# KiCad board oresat-live-card.kicad_pcb
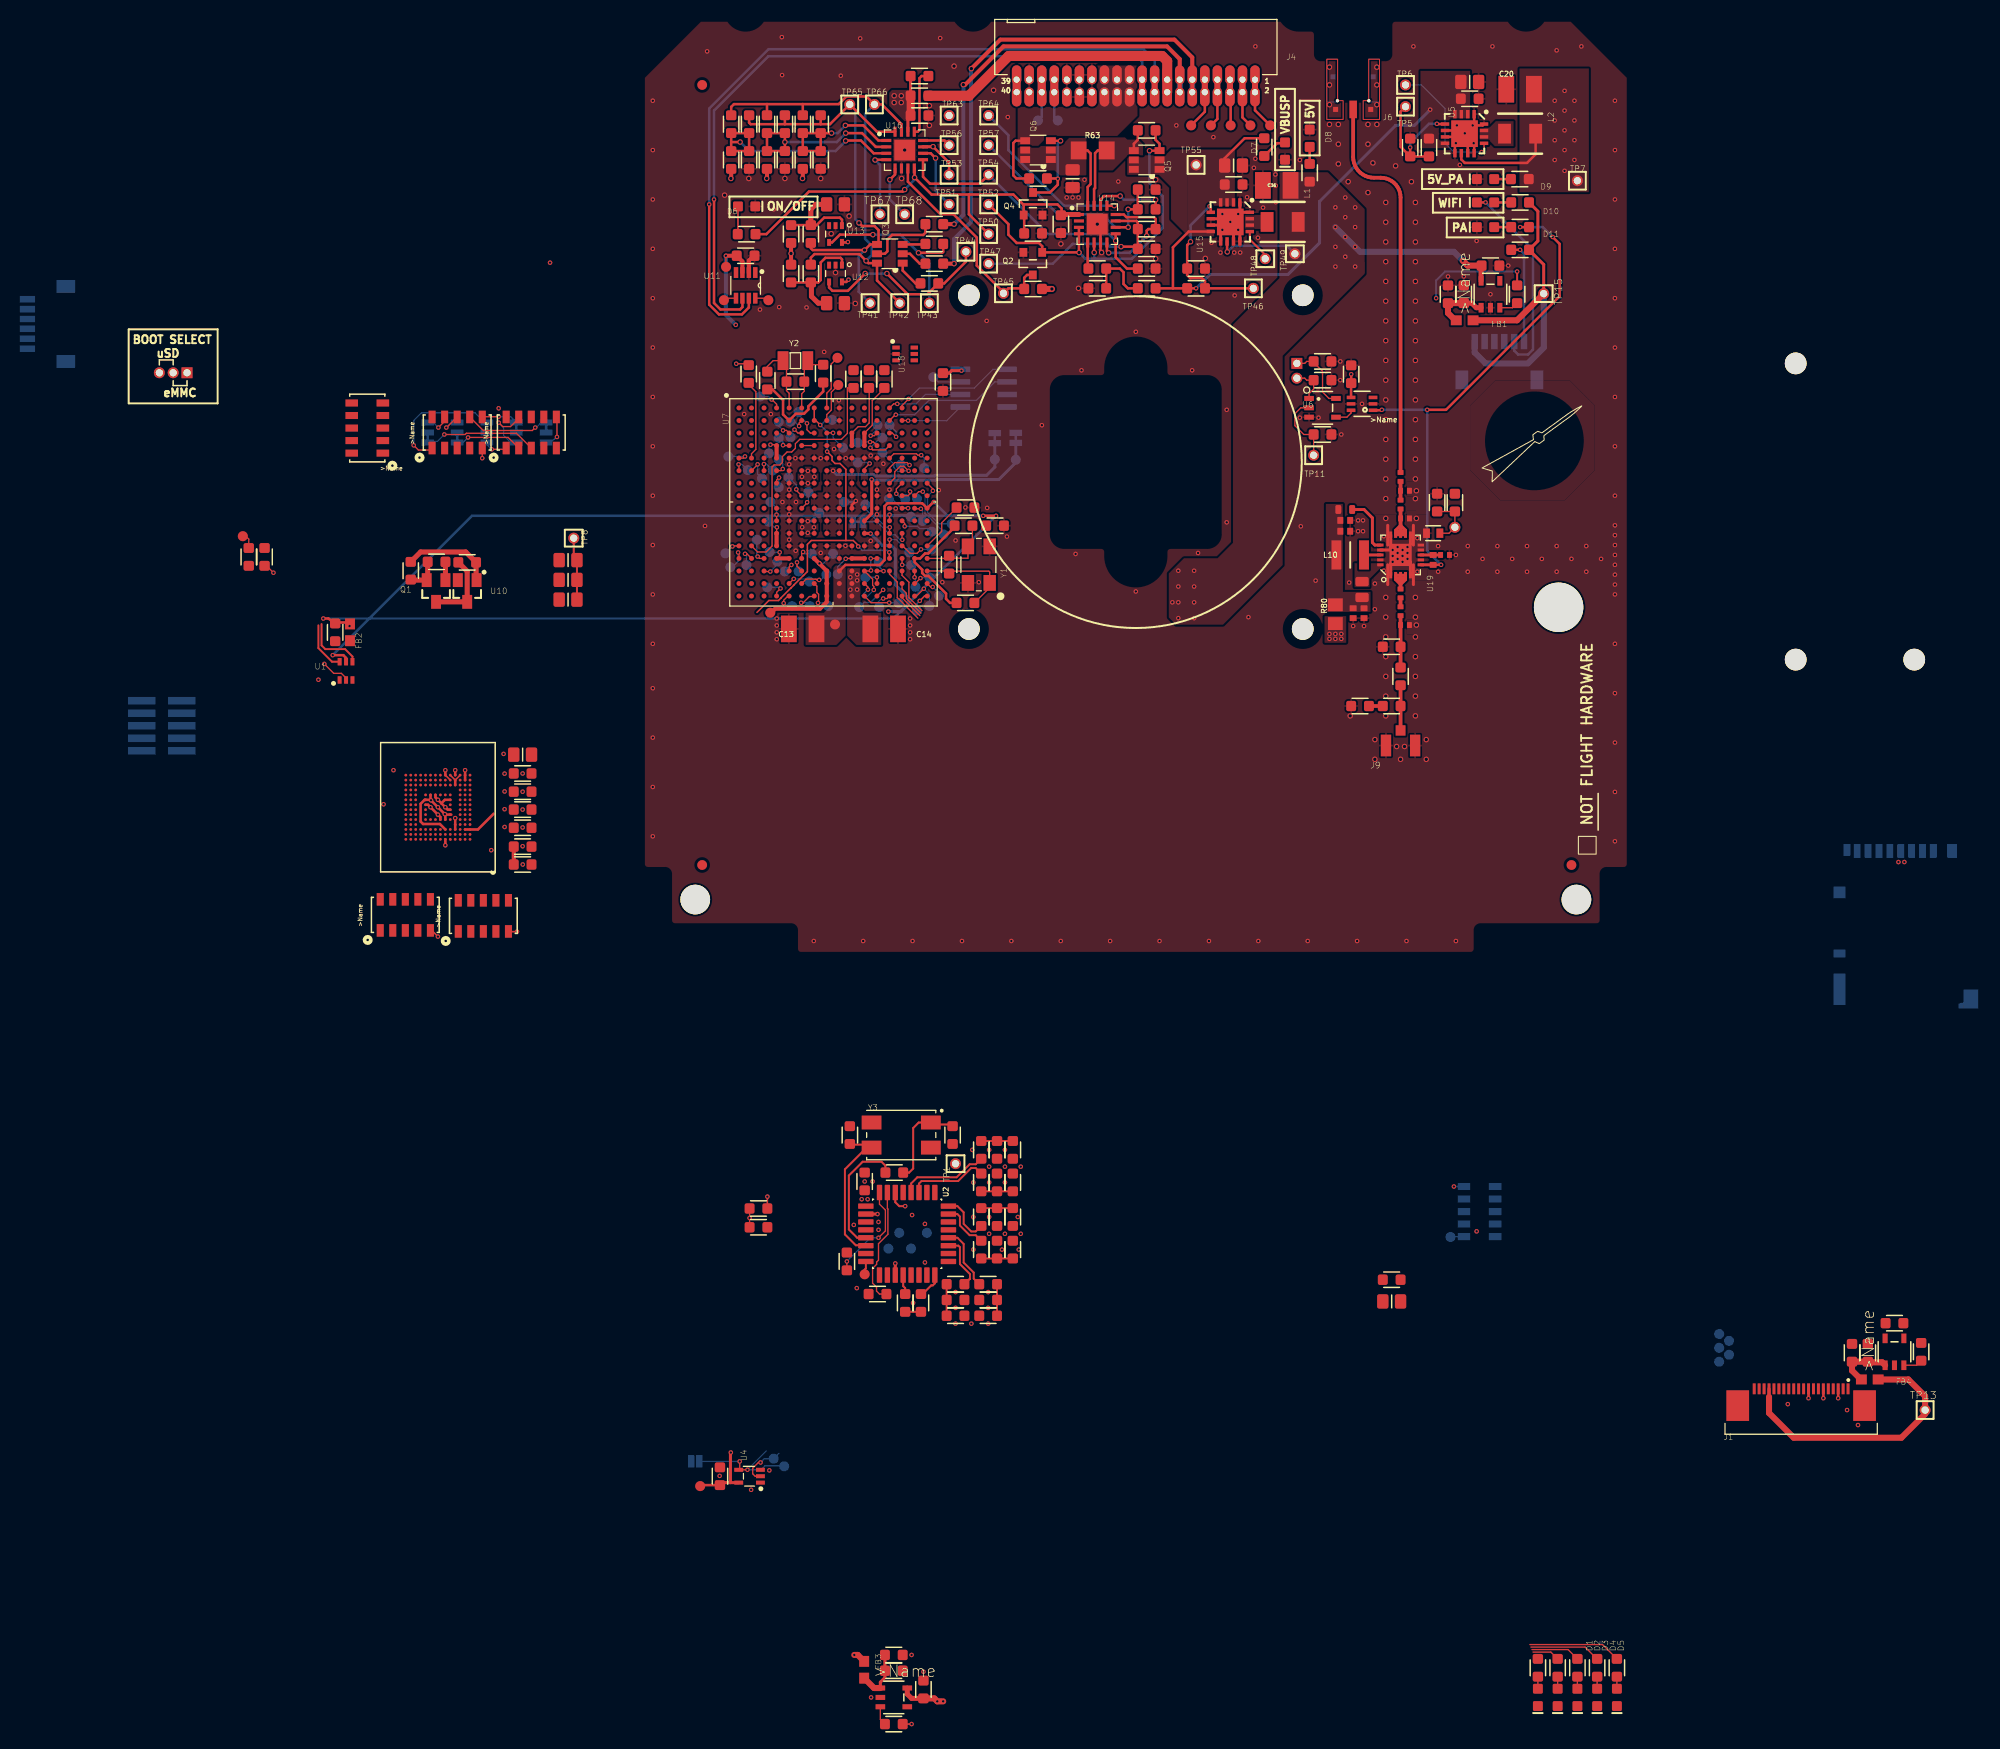
[diagram p0: board, top side]
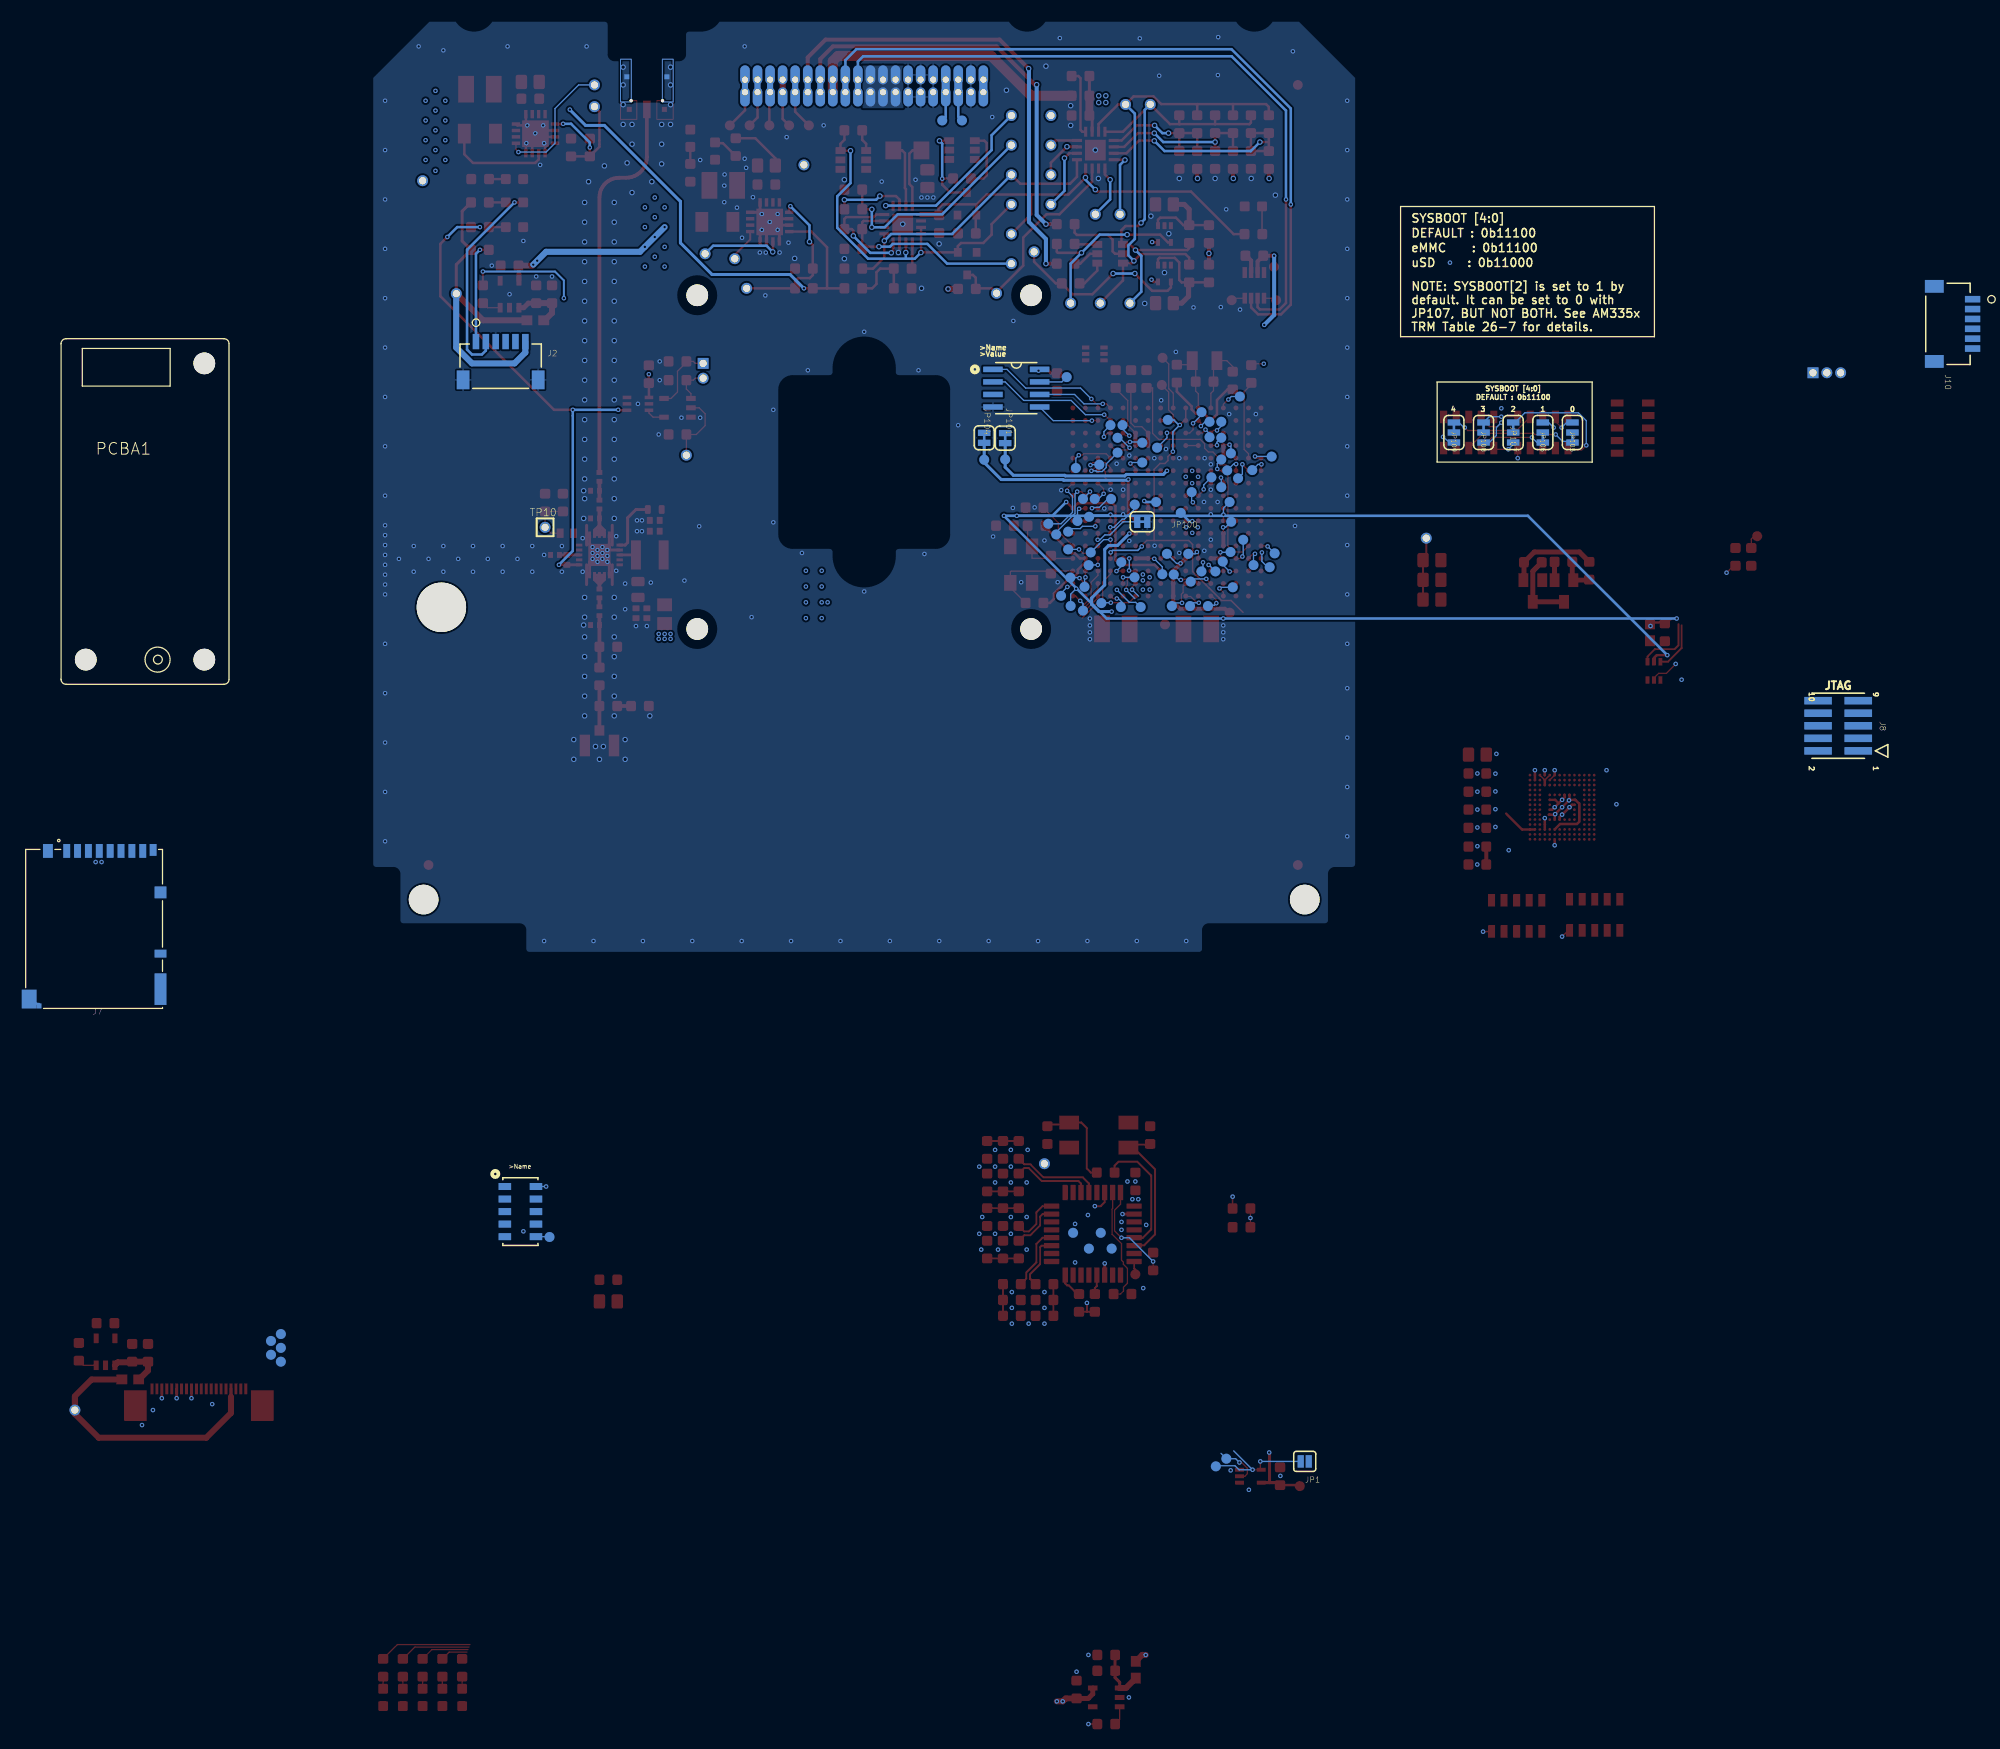
[diagram p1: board, bottom side, seen from below]

Outline 99.8 x 94.6 mm; copper layers: Top, In1.Cu, In2.Cu, Bottom. Coordinates in mm from the lower left corner of the outline.
Outline path: 41.39,57.14 41.39,42.48 arc(41.77,41.58) 42.66,41.21 46.4,41.21 arc(46.75,41.07) 46.9,40.71 46.9,40.31 arc(49.9,37.31) 52.9,40.31 52.9,40.71 arc(53.05,41.07) 53.4,41.21 57.12,41.21 arc(58.02,41.58) 58.39,42.48 58.39,57.14 arc(58.02,58.04) 57.12,58.41 53.4,58.41 arc(53.04,58.56) 52.9,58.91 52.9,59.31 arc(49.9,62.31) 46.9,59.31 46.9,58.91 arc(46.75,58.56) 46.4,58.41 42.66,58.41 arc(41.77,58.04) 41.39,57.14

## Placement (name value [footprint] x y rotation side)
@HOLE0  -  [unnamed]  33 66.7 0 top
@HOLE1  -  [unnamed]  66.8 66.7 0 top
@HOLE2  -  [unnamed]  66.8 32.9 0 top
@HOLE3  -  [unnamed]  33 32.9 0 top
@HOLE4  -  [unnamed#2]  92.7 35.1 0 top
C1  0.1uF  [.0603-A]  85.8 69.7 0 top
C2  10uF  [.0805-B]  -12.17 20.17 0 top
C3  1uF  [.0603-A]  -12.17 18.27 0 top
C4  0.1uF  [.0603-A]  -31.15 32.56 270 top
C5  1uF  [.0603-A]  -12.17 16.42 0 top
C6  1uF  [.0603-A]  -12.17 14.61 0 top
C7  0.1uF  [.0603-A]  25.4 -72.6 0 top
C8  10uF  [.0805-B]  75.8 -35.2 180 top
C9  1uF  [.0603-A]  -12.17 12.77 0 top
C10  1uF  [.0603-A]  -12.17 10.86 0 top
C11  0.1uF  [.0603-A]  75.8 -33 180 top
C12  1uF  [.0603-A]  -12.17 9.05 0 top
C13  22uF  [C1210]  16.17 32.91 180 top
C14  22uF  [C1210]  24.42 32.91 0 top
C15  100n  [.0603-A]  68.8 60 0 top
C16  10uF  [.0805-B]  83.7 88.3 0 top
C17  1uF  [.0603-A]  83.7 86.6 0 top
C18  0.1uF  [.0603-A]  7.8 -52.9 90 top
C19  12pF, 50V  [.0603-A]  32.66 35.54 0 top
C20  22uF  [C1210]  88.8 87.56 180 top
C21  100n  [.0603-A]  71.7 58.7 90 top
C22  12pF, 50V  [.0603-A]  32.46 43.36 0 top
C23  0.1u  [.0603-A]  80.4 45.7 90 top
C24  1nF  [.0805-B]  -7.58 35.87 180 top
C25  1nF  [.0805-B]  -7.58 37.87 180 top
C26  0.1uF  [.0805-B]  -7.58 39.87 180 top
C27  10uF  [.0603-A]  25.4 -71 0 top
C28  0.1uF  [.0603-A]  126.7 -37.4 0 top
C29  12pF, 50V  [.0603-A]  12.59 58.06 270 top
C30  12pF, 50V  [.0603-A]  18.25 58.76 270 top
C31  0.1uF  [.0603-A]  10.4 70.7 180 top
C32  1uF  [.0805-B-NOSILK]  19.5 65.9 0 top
C33  1uF  [.0603-A]  51 67.4 0 top
C34  1uF  [.0603-A]  42.31 73.9 270 top
C35  1uF  [.0805-B-NOSILK]  19.5 75.9 0 top
C36  22uF  [C1210]  64.16 77.82 180 top
C37  1uF  [.0603-A]  59.8 77.91 0 top
C38  10uF  [.0805-B]  59.79 79.84 0 top
C39  0.1uF  [.0603-A]  28 84.9 180 top
C40  0.1uF  [.0603-A]  35.65 43.36 180 top
C41  0.1uF  [.0603-A]  30.38 57.91 270 top
C42  0.1uF  [.0603-A]  83.1 66.8 90 top
C43  100nF  [.0402-B-NOSILK]  71.9 34.5 270 top
C44  10uF  [.0805-B]  43.5 78.5 270 top
C45  100nF  [.0402-B-NOSILK]  71.1 42.8 0 top
C46  100nF  [.0402-B-NOSILK]  71.1 43.9 0 top
C47  100nF  [.0402-C-NOSILK]  81.2 40.4 0 top
C48  1000pF  [.0402-B-NOSILK]  73 34.5 270 top
C49  100pF  [.0402-C-NOSILK]  76.7 48.3 90 top
C50  3.0pF  [.0402-C-NOSILK]  77.15 44.1 0 top
C51  1.1pF  [.0402-C-NOSILK]  76.7 34.7 90 top
C52  1.6pF  [.0402-C-NOSILK]  77.15 46.9 0 top
C53  10uF  [.0603-A]  81.5 66.8 90 top
C54  0.1uF  [.0603-A]  28.4 -74.5 90 top
C55  0.1uF  [.0603-A]  124 -40.4 90 top
C56  10uF  [.0603-A]  122.4 -40.4 90 top
C57  50pF  [.0603-A]  31.65 -36.65 0 top
C58  50pF  [.0603-A]  34.95 -36.65 180 top
C59  50pF  [.0603-A]  37.45 -29.95 90 top
C60  50pF  [.0603-A]  37.45 -26.65 270 top
C61  50pF  [.0603-A]  37.45 -23.15 90 top
C62  50pF  [.0603-A]  37.45 -19.85 270 top
C63  20pF  [.0603-A]  20.95 -18.35 90 top
C64  20pF  [.0603-A]  31.35 -18.35 270 top
C65  4.7uF  [.0603-A]  22.45 -23.05 90 top
D1  GREEN  [LED-0603]  90.6 -75.3 270 top
D2  BLUE  [LED-0603]  92.6 -75.3 270 top
D3  BLUE  [LED-0603]  94.6 -75.3 270 top
D4  BLUE  [LED-0603]  96.6 -75.3 270 top
D5  BLUE  [LED-0603]  98.6 -75.3 270 top
D6  GREEN  [LED-0603]  10.5 75.7 0 top
D7  GREEN  [LED-0603]  65 81.3 270 top
D8  GREEN  [LED-0603]  67.5 82.6 90 top
D9  GREEN  [LED-0603]  85.3 78.46 180 top
D10  GREEN  [LED-0603]  85.3 76.1 180 top
D11  GREEN  [LED-0603]  85.3 73.6 180 top
FB1  30Ω/1.8A  [0603]  83.19 64.16 0 top
FB2  30Ω/1.8A  [0603]  -29.65 32.56 90 top
FB3  30Ω/1.8A  [0603]  22.4 -72.5 90 top
FB4  30Ω/1.8A  [0603]  124.2 -43.1 0 top
J1  ORESAT-DEBUG-CONNECTOR-CARD  [TE_2-1734592-0]  117.25 -45.75 180 top
J2  SM06B-SRSS-TB(LF)(SN)  [CONN_SM06B-SRSS-TB_JST]  86.7 59.5 180 bottom
J4  TFM-120-01-L-D-RA  [J-SAMTEC-TFM-120-X1-XXX-D-RA]  49.9 87.9 0 top
J5  2X1_TH_JUMPEP  [2X1]  66.2 59 270 top
J6  J-MOLEX-SMPM-73300-003X  [J-MOLEX-SMPM-073300-003X]  71.9 90.6 0 top
J7  -  [DM3BT-DSF-PEJS]  127.43 -5.53 180 bottom
J8  FTSH-105-XX-X-DV-K  [CON10_2X5_DUK_FTSH]  -48.7 23.1 90 bottom
J9  U.FL-R-SMA  [U.FL-R-SMT]  76.7 21.1 0 top
J10  SM06B-SRSS-TB(LF)(SN)  [CONN_SM06B-SRSS-TB_JST]  -59.8 63.8 270 bottom
JP1  JUMPER-SMT_2_NO_SILK  [SMT-JUMPER_2_NO_SILK]  5.3 -51.4 180 bottom
JP100  JUMPER-SMT_2_NC_TRACE_SILK  [SMT-JUMPER_2_NC_TRACE_SILK]  21.75 43.76 180 bottom
JP101  JUMPER-SMT_2_NC_TRACE_SILK  [SMT-JUMPER_2_NC_TRACE_SILK]  35.62 52.23 90 bottom
JP104  JUMPER-SMT_2_NC_TRACE_SILK  [SMT-JUMPER_2_NC_TRACE_SILK]  37.75 52.26 90 bottom
JP105  JUMPER-SMT_3_1-NC_TRACE_SILK  [SMT-JUMPER_3_1-NC_TRACE_SILK]  -21.8 52.8 270 bottom
JP106  JUMPER-SMT_3_1-NC_TRACE_SILK  [SMT-JUMPER_3_1-NC_TRACE_SILK]  -18.8 52.8 270 bottom
JP107  JUMPER-SMT_3_1-NC_TRACE_SILK  [SMT-JUMPER_3_1-NC_TRACE_SILK]  -15.8 52.8 90 bottom
JP108  JUMPER-SMT_3_1-NC_TRACE_SILK  [SMT-JUMPER_3_1-NC_TRACE_SILK]  -12.8 52.8 90 bottom
JP109  JUMPER-SMT_3_1-NC_TRACE_SILK  [SMT-JUMPER_3_1-NC_TRACE_SILK]  -9.8 52.8 90 bottom
L1  6.8u  [ECS-MPI4040]  64.76 74.12 90 top
L2  6.8u  [ECS-MPI4040]  88.8 83.06 90 top
L7  1.7nH  [.0402-C-NOSILK]  77.15 33.3 180 top
L8  6.8nH  [.0805-C-NOSILK]  72.8 36.9 270 top
L9  1.0nH  [.0402-C-NOSILK]  76.7 45.5 90 top
L10  10nH  [INDC2928X203N]  71.6 40.4 180 top
PCB1  -  [ORESAT-CARD-V1.3-GENERIC-1RF-POS1]  0 0 0 top
PCBA1  WF-NP9202WF  [WF-NP9202]  122.7 44.8 180 bottom
Q1  MMBT2907  [SOT23-BEC]  -20.94 36.75 180 top
Q2  PMV45EN  [SOT23]  39.47 69.9 180 top
Q3  DMP2240UDM  [SOT23-6]  25 70.9 90 top
Q4  PMV45EN  [SOT23]  39.5 75.96 0 top
Q5  MOSFET-PCH-SOT23-6  [SOT23-6]  51 80.4 90 top
Q6  MOSFET-PCH-SOT23-6  [SOT23-6]  40 81.4 90 top
R1  4.7k  [.0603-A]  90.6 -72.3 270 top
R2  4.7k  [.0603-A]  92.6 -72.3 270 top
R3  4.7k  [.0603-A]  94.6 -72.3 270 top
R4  4.7k  [.0603-A]  96.6 -72.3 270 top
R5  4.7k  [.0603-A]  98.6 -72.3 270 top
R6  10k  [.0603-A]  25.4 -78 0 top
R7  10k  [.0603-A]  88.5 66.8 90 top
R8  10k  [ARRAY_EXBA-M]  84.7 -26.1 180 bottom
R9  10K  [ARRAY_EXBA-M]  -24.05 3.95 90 top
R10  10K  [ARRAY_EXBA-M]  -16.15 3.85 90 top
R11  10k  [.0603-A]  88.78 78.46 0 top
R12  10k  [.0603-A]  79.57 81.66 90 top
R13  1M  [.0603-A]  31 39.42 270 top
R14  NP  [.0603-A]  77.68 81.66 270 top
R15  10k  [.0603-A]  32.66 45.19 180 top
R16  10k  [.0603-A]  68.8 58.1 180 top
R17  10k  [.0603-A]  68.8 52.6 180 top
R18  10k  [.0603-A]  82.2 45.7 270 top
R19  10k  [.0603-A]  -39.9 40.2 90 top
R20  10k  [.0603-A]  -38.3 40.2 270 top
R21  10k  [.0603-A]  88.8 76.1 180 top
R22  10k  [.0603-A]  10.71 58.72 90 top
R23  499  [.0603-A]  -20.89 39.7 180 top
R24  100K  [ARRAY_EXBA-M]  -18.8 52.8 90 top
R25  100K  [ARRAY_EXBA-M]  -11.3 52.8 90 top
R26  100K  [ARRAY_EXBA-M]  -27.9 53.25 180 top
R27  DNP  [.0603-A]  15.44 57.95 0 top
R28  10k  [.0603-A]  -23.5 38.8 270 top
R29  4.7k  [.0603-A]  88.8 71.3 180 top
R30  10k  [.0603-A]  88.8 73.6 180 top
R31  40.2K  [.0603-A]  -17.79 39.65 0 top
R32  10k  [.0603-A]  39.5 67.34 0 top
R33  100k  [.0603-A]  46 67.4 0 top
R34  10k  [.0603-A]  56 67.4 180 top
R35  665k  [.0603-A]  29 67.9 180 top
R36  1M  [.0603-A]  15 68.9 90 top
R37  330k  [.0603-A]  17 68.9 90 top
R38  10k  [.0603-A]  46 69.4 0 top
R39  10k  [.0603-A]  51 69.4 180 top
R40  NP  [.0603-A]  56 69.4 180 top
R41  100  [.0603-A]  29.5 69.9 180 top
R42  NP  [.0603-A]  51 71.4 180 top
R43  665k  [.0603-A]  29.5 71.9 180 top
R44  1M  [.0603-A]  15 72.9 270 top
R45  330k  [.0603-A]  17 72.9 270 top
R46  10k  [.0603-A]  39.5 72.96 180 top
R47  0  [.0603-A]  51 73.4 0 top
R48  100  [.0603-A]  29.5 73.9 180 top
R49  4.7k  [.0603-A]  10.5 72.89 0 top
R50  0  [.0603-A]  51 75.4 0 top
R51  4.7k  [.0603-A]  51 77.4 180 top
R52  10k  [.0603-A]  40 78.52 180 top
R53  NP  [.0603-A]  8.94 80.4 270 top
R54  10k  [.0603-A]  10.75 80.4 90 top
R55  10k  [.0603-A]  12.56 80.4 270 top
R56  NP  [.0603-A]  14.38 80.4 90 top
R57  10k  [.0603-A]  16.19 80.4 270 top
R58  NP  [.0603-A]  18 80.4 90 top
R59  DNP  [.0603-A]  11.7 -27.69 0 top
R60  DNP  [.0603-A]  11.7 -25.79 180 top
R61  10k  [.0603-A]  62.9 81.7 90 top
R62  10k  [.0603-A]  67.5 79.1 270 top
R63  100m  [R1206]  45.53 81.37 0 top
R64  10k  [.0603-A]  51 83.4 180 top
R65  NP  [.0603-A]  8.94 84.02 270 top
R66  NP  [.0603-A]  10.75 84.02 90 top
R67  NP  [.0603-A]  12.56 84.02 270 top
R68  NP  [.0603-A]  14.38 84.02 90 top
R69  NP  [.0603-A]  16.19 84.02 270 top
R70  NP  [.0603-A]  18 84.02 90 top
R71  100  [.0603-A]  28 86.9 180 top
R72  10k  [.0603-A]  28 88.9 180 top
R73  100  [.0603-A]  22.88 58.21 270 top
R74  100  [.0603-A]  24.44 58.21 270 top
R75  100  [.0603-A]  21.32 58.21 270 top
R76  10k  [.0603-A]  129.4 -40.3 90 top
R77  22  [.0603-A]  31.65 -33.45 0 top
R78  15k  [.0603-A]  31.65 -35.05 180 top
R79  22  [.0603-A]  34.95 -33.45 180 top
R80  0  [R0805]  70.1 34.4 270 top
R81  110  [.0402-B-NOSILK]  80 39.9 90 top
R82  220  [.0603-C-NOSILK]  71.1 45 180 top
R83  15k  [.0603-A]  34.95 -35.05 0 top
R84  3.3  [.0402-C-NOSILK]  76.7 36.5 90 top
R85  82.5  [.0603-A]  75.8 31.1 0 top
R86  93.1  [.0603-A]  76.7 28.1 270 top
R87  41.2  [.0603-A]  75.8 25.1 180 top
R88  41.2  [.0603-A]  72.6 25.1 180 top
R89  22  [.0603-A]  34.25 -29.95 90 top